# Altium PCB UM-64NNP-V1 rev 0.18.PcbDoc (part 1 of 5) (continued)
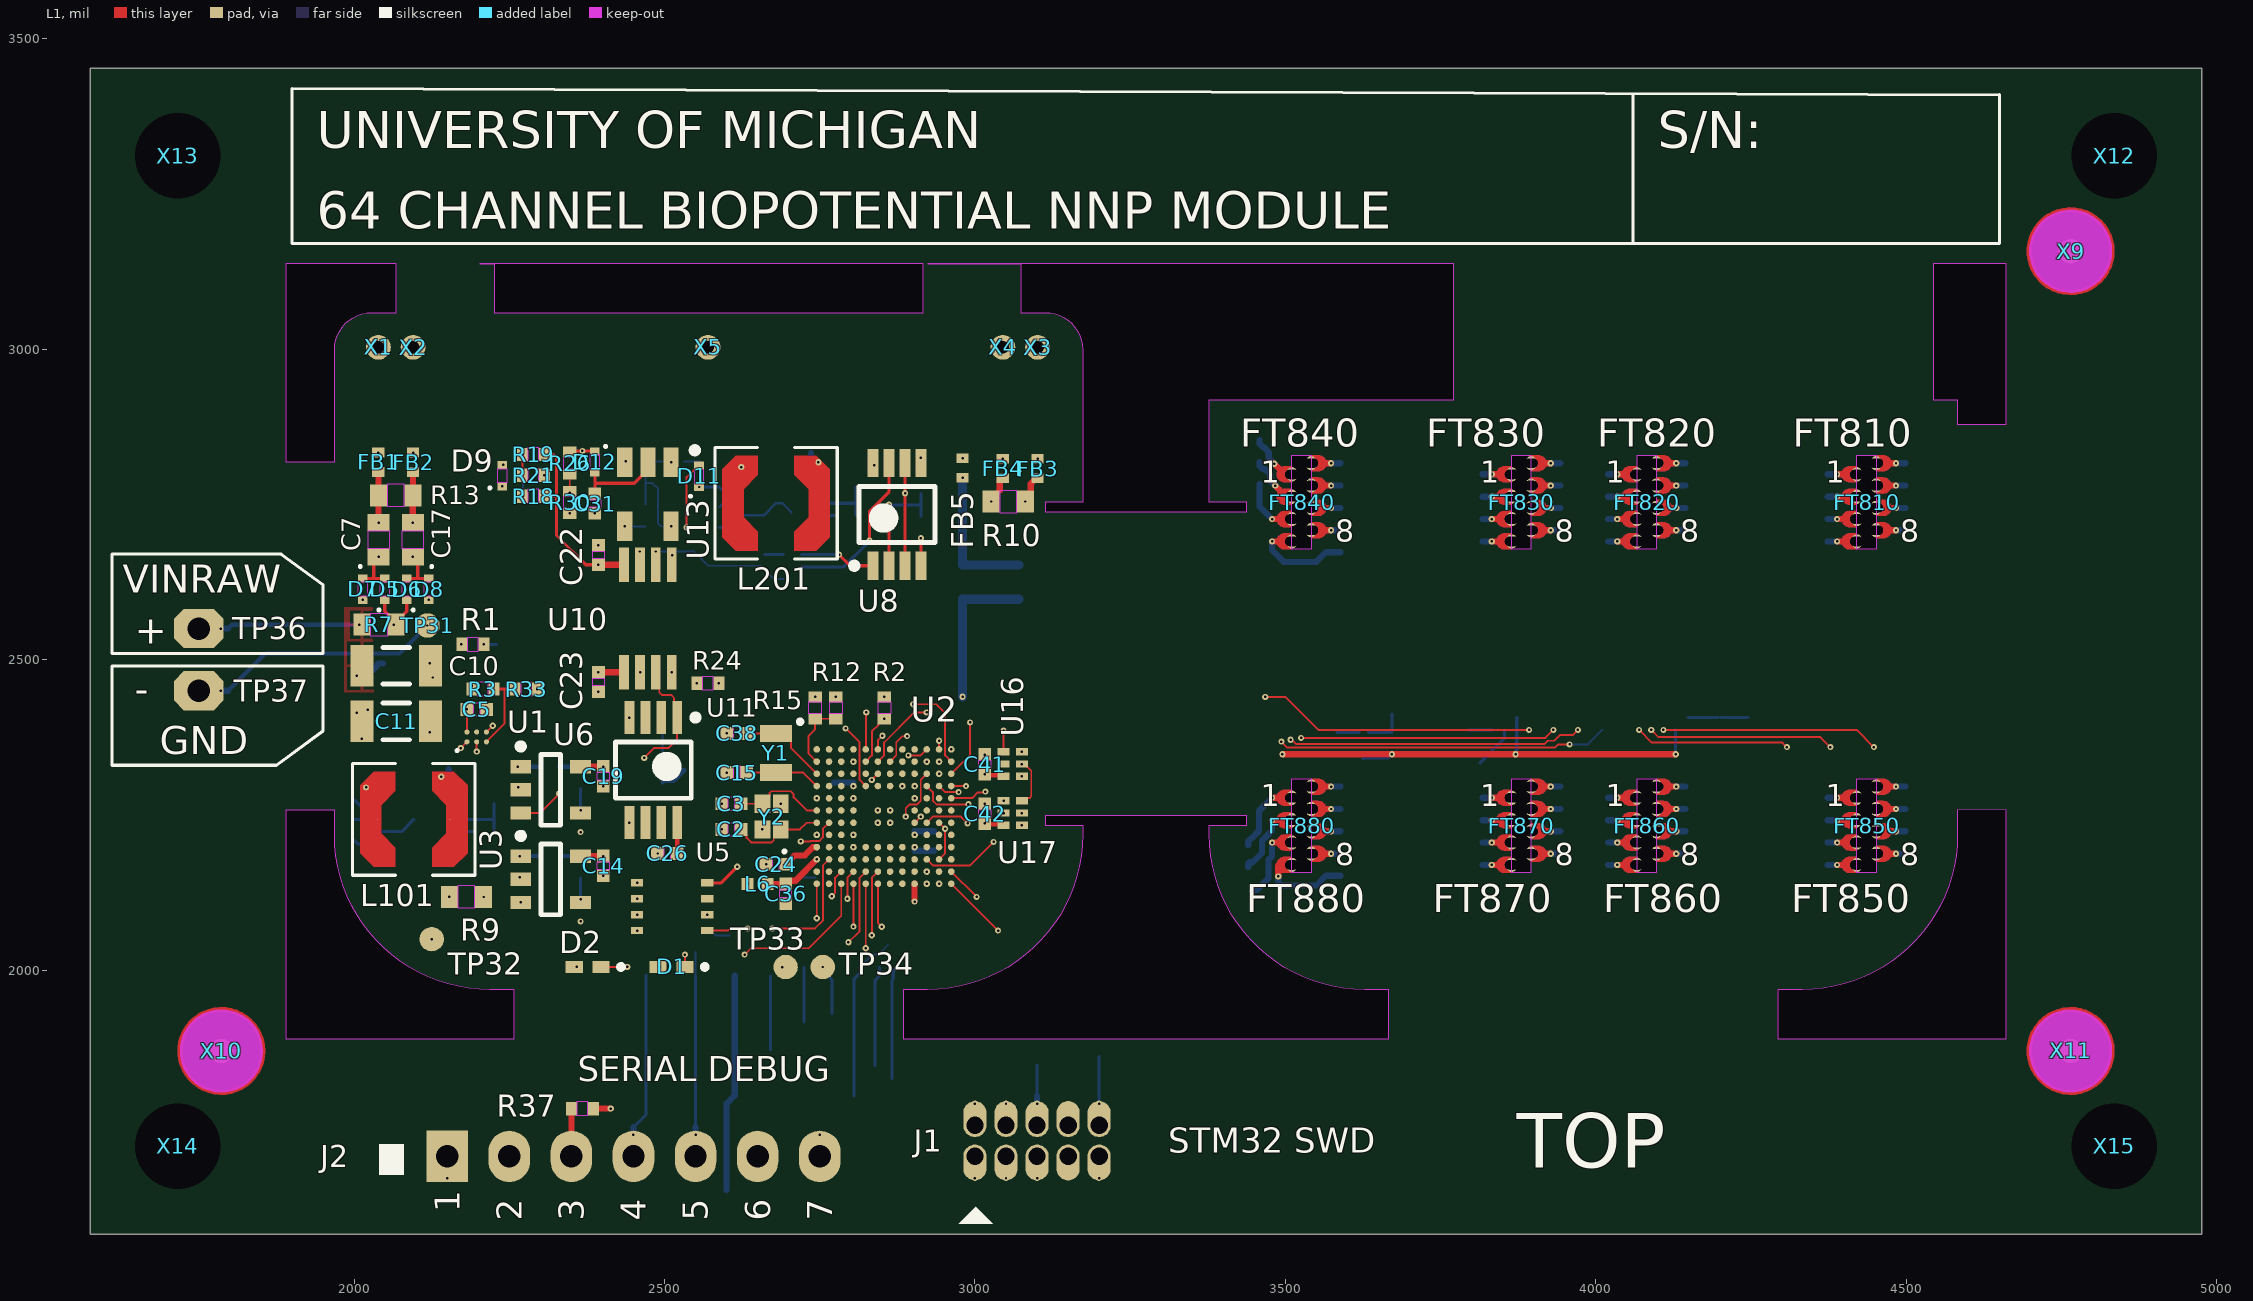
[diagram p0: L1 view]
## Components (designator, comment, footprint, x,y, rotation, side; value= is the part's Value field where it differs from the comment) (continued)
C845 "680pF 100V 0402" CAP0402_L 3658.5,2816.5 r180 bottom value=680pF
C846 "680pF 100V 0402" CAP0402_L 3658.5,2780.5 r180 bottom value=680pF
C847 "680pF 100V 0402" CAP0402_L 3658.5,2744.5 r180 bottom value=680pF
C848 "680pF 100V 0402" CAP0402_L 3658.5,2708.5 r180 bottom value=680pF
C851 "680pF 100V 0402" CAP0402_L 4303.51,2277.5 r0 bottom value=680pF
C852 "680pF 100V 0402" CAP0402_L 4303.51,2241.5 r0 bottom value=680pF
C853 "680pF 100V 0402" CAP0402_L 4303.51,2205.5 r0 bottom value=680pF
C854 "680pF 100V 0402" CAP0402_L 4303.51,2169.5 r0 bottom value=680pF
C855 "680pF 100V 0402" CAP0402_L 4532.09,2328.97 r180 bottom value=680pF
C856 "680pF 100V 0402" CAP0402_L 4552.75,2275.82 r270 bottom value=680pF
C857 "680pF 100V 0402" CAP0402_L 4552.75,2207.76 r90 bottom value=680pF
C858 "680pF 100V 0402" CAP0402_L 4527.09,2154.04 r180 bottom value=680pF
C861 "680pF 100V 0402" CAP0402_L 4012.52,2315.97 r0 bottom value=680pF
C862 "680pF 100V 0402" CAP0402_L 3996.75,2110.9 r90 bottom value=680pF
C863 "680pF 100V 0402" CAP0402_L 4028.25,2110.9 r90 bottom value=680pF
C864 "680pF 100V 0402" CAP0402_L 4059.74,2110.9 r90 bottom value=680pF
C865 "680pF 100V 0402" CAP0402_L 4214.5,2295.5 r180 bottom value=680pF
C866 "680pF 100V 0402" CAP0402_L 4214.5,2259.5 r180 bottom value=680pF
C867 "680pF 100V 0402" CAP0402_L 4214.5,2223.5 r180 bottom value=680pF
C868 "680pF 100V 0402" CAP0402_L 4214.5,2187.5 r180 bottom value=680pF
C871 "680pF 100V 0402" CAP0402_L 3747.51,2277.5 r0 bottom value=680pF
C872 "680pF 100V 0402" CAP0402_L 3747.51,2241.5 r0 bottom value=680pF
C873 "680pF 100V 0402" CAP0402_L 3747.51,2205.5 r0 bottom value=680pF
C874 "680pF 100V 0402" CAP0402_L 3747.51,2169.5 r0 bottom value=680pF
C875 "680pF 100V 0402" CAP0402_L 3949.51,2333.97 r180 bottom value=680pF
C876 "680pF 100V 0402" CAP0402_L 3965.26,2110.9 r90 bottom value=680pF
C877 "680pF 100V 0402" CAP0402_L 3933.76,2110.9 r90 bottom value=680pF
C878 "680pF 100V 0402" CAP0402_L 3902.26,2110.9 r90 bottom value=680pF
C881 "680pF 100V 0402" CAP0402_L 3483.51,2088.62 r90 bottom value=680pF
C882 "680pF 100V 0402" CAP0402_L 3515.01,2088.62 r90 bottom value=680pF
C883 "680pF 100V 0402" CAP0402_L 3546.5,2088.62 r90 bottom value=680pF
C884 "680pF 100V 0402" CAP0402_L 3658.5,2152.07 r180 bottom value=680pF
C885 "680pF 100V 0402" CAP0402_L 3658.5,2295.5 r180 bottom value=680pF
C886 "680pF 100V 0402" CAP0402_L 3658.5,2259.5 r180 bottom value=680pF
C887 "680pF 100V 0402" CAP0402_L 3658.5,2223.5 r180 bottom value=680pF
C888 "680pF 100V 0402" CAP0402_L 3658.5,2187.5 r180 bottom value=680pF
D1 "LED GRN" LED0402_L 2511.31,2005.11 r0 top value=45mcd
D2 "LED BLUE" LED0402_L 2376.26,2005.11 r0 top
D5 "1SS416,L3M" TOSHIBA_SOD-923 2049.38,2613.5 r90 top
D6 "1SS416,L3M" TOSHIBA_SOD-923 2084.82,2613.5 r90 top
D7 "1SS416,L3M" TOSHIBA_SOD-923 2013.95,2613.5 r270 top
D8 "1SS416,L3M" TOSHIBA_SOD-923 2120.25,2613.5 r270 top
D9 "1SS416,L3M" TOSHIBA_SOD-923 2238.52,2796.22 r90 top
D11 "1SS416,L3M" TOSHIBA_SOD-923 2555.56,2795.34 r90 top
D12 "1SS416,L3M" TOSHIBA_SOD-923 2387.74,2818.4 r270 top
D811 "SP3022-01ETG" LITTELFUSE_SOD882 4360.59,2798.5 r180 bottom value=SP3022
D812 "SP3022-01ETG" LITTELFUSE_SOD882 4360.59,2762.5 r180 bottom value=SP3022
D813 "SP3022-01ETG" LITTELFUSE_SOD882 4360.59,2726.5 r180 bottom value=SP3022
D814 "SP3022-01ETG" LITTELFUSE_SOD882 4360.59,2690.5 r180 bottom value=SP3022
D815 "SP3022-01ETG" LITTELFUSE_SOD882 4511.41,2815.94 r0 bottom value=SP3022
D816 "SP3022-01ETG" LITTELFUSE_SOD882 4511.41,2780.5 r0 bottom value=SP3022
D817 "SP3022-01ETG" LITTELFUSE_SOD882 4511.41,2744.5 r0 bottom value=SP3022
D818 "SP3022-01ETG" LITTELFUSE_SOD882 4511.41,2708.5 r0 bottom value=SP3022
D821 "SP3022-01ETG" LITTELFUSE_SOD882 4006.59,2798.5 r180 bottom value=SP3022
D822 "SP3022-01ETG" LITTELFUSE_SOD882 4006.59,2762.5 r180 bottom value=SP3022
D823 "SP3022-01ETG" LITTELFUSE_SOD882 4006.59,2726.5 r180 bottom value=SP3022
D824 "SP3022-01ETG" LITTELFUSE_SOD882 4006.59,2690.5 r180 bottom value=SP3022
D825 "SP3022-01ETG" LITTELFUSE_SOD882 4157.41,2816.5 r0 bottom value=SP3022
D826 "SP3022-01ETG" LITTELFUSE_SOD882 4157.41,2780.5 r0 bottom value=SP3022
D827 "SP3022-01ETG" LITTELFUSE_SOD882 4157.41,2744.5 r0 bottom value=SP3022
D828 "SP3022-01ETG" LITTELFUSE_SOD882 4157.41,2708.5 r0 bottom value=SP3022
D831 "SP3022-01ETG" LITTELFUSE_SOD882 3804.59,2798.5 r180 bottom value=SP3022
D832 "SP3022-01ETG" LITTELFUSE_SOD882 3804.59,2762.5 r180 bottom value=SP3022
D833 "SP3022-01ETG" LITTELFUSE_SOD882 3804.59,2726.5 r180 bottom value=SP3022
D834 "SP3022-01ETG" LITTELFUSE_SOD882 3804.59,2690.5 r180 bottom value=SP3022
D835 "SP3022-01ETG" LITTELFUSE_SOD882 3955.41,2816.5 r0 bottom value=SP3022
D836 "SP3022-01ETG" LITTELFUSE_SOD882 3955.41,2780.5 r0 bottom value=SP3022
D837 "SP3022-01ETG" LITTELFUSE_SOD882 3955.41,2744.5 r0 bottom value=SP3022
D838 "SP3022-01ETG" LITTELFUSE_SOD882 3955.41,2708.5 r0 bottom value=SP3022
D841 "SP3022-01ETG" LITTELFUSE_SOD882 3445.59,2853.47 r180 bottom value=SP3022
D842 "SP3022-01ETG" LITTELFUSE_SOD882 3445.59,2818.04 r180 bottom value=SP3022
D843 "SP3022-01ETG" LITTELFUSE_SOD882 3445.59,2782.61 r180 bottom value=SP3022
D844 "SP3022-01ETG" LITTELFUSE_SOD882 3601.41,2673.07 r0 bottom value=SP3022
D845 "SP3022-01ETG" LITTELFUSE_SOD882 3601.41,2816.5 r0 bottom value=SP3022
D846 "SP3022-01ETG" LITTELFUSE_SOD882 3601.41,2780.5 r0 bottom value=SP3022
D847 "SP3022-01ETG" LITTELFUSE_SOD882 3601.41,2744.5 r0 bottom value=SP3022
D848 "SP3022-01ETG" LITTELFUSE_SOD882 3601.41,2708.5 r0 bottom value=SP3022
D851 "SP3022-01ETG" LITTELFUSE_SOD882 4360.59,2277.5 r180 bottom value=SP3022
D852 "SP3022-01ETG" LITTELFUSE_SOD882 4360.59,2241.5 r180 bottom value=SP3022
D853 "SP3022-01ETG" LITTELFUSE_SOD882 4360.59,2205.5 r180 bottom value=SP3022
D854 "SP3022-01ETG" LITTELFUSE_SOD882 4360.59,2169.5 r180 bottom value=SP3022
D855 "SP3022-01ETG" LITTELFUSE_SOD882 4511.41,2295.5 r0 bottom value=SP3022
D856 "SP3022-01ETG" LITTELFUSE_SOD882 4511.41,2259.5 r0 bottom value=SP3022
D857 "SP3022-01ETG" LITTELFUSE_SOD882 4511.41,2223.5 r0 bottom value=SP3022
D858 "SP3022-01ETG" LITTELFUSE_SOD882 4511.41,2187.5 r0 bottom value=SP3022
D861 "SP3022-01ETG" LITTELFUSE_SOD882 4006.61,2277.5 r180 bottom value=SP3022
D862 "SP3022-01ETG" LITTELFUSE_SOD882 4006.61,2241.5 r180 bottom value=SP3022
D863 "SP3022-01ETG" LITTELFUSE_SOD882 4006.61,2205.5 r180 bottom value=SP3022
D864 "SP3022-01ETG" LITTELFUSE_SOD882 4006.61,2169.5 r180 bottom value=SP3022
D865 "SP3022-01ETG" LITTELFUSE_SOD882 4157.41,2295.5 r0 bottom value=SP3022
D866 "SP3022-01ETG" LITTELFUSE_SOD882 4157.41,2259.5 r0 bottom value=SP3022
D867 "SP3022-01ETG" LITTELFUSE_SOD882 4157.41,2223.5 r0 bottom value=SP3022
D868 "SP3022-01ETG" LITTELFUSE_SOD882 4157.41,2187.5 r0 bottom value=SP3022
D871 "SP3022-01ETG" LITTELFUSE_SOD882 3804.59,2277.5 r180 bottom value=SP3022
D872 "SP3022-01ETG" LITTELFUSE_SOD882 3804.59,2241.5 r180 bottom value=SP3022
D873 "SP3022-01ETG" LITTELFUSE_SOD882 3804.59,2205.5 r180 bottom value=SP3022
D874 "SP3022-01ETG" LITTELFUSE_SOD882 3804.59,2169.5 r180 bottom value=SP3022
D875 "SP3022-01ETG" LITTELFUSE_SOD882 3955.41,2295.5 r0 bottom value=SP3022
D876 "SP3022-01ETG" LITTELFUSE_SOD882 3955.43,2259.5 r0 bottom value=SP3022
D877 "SP3022-01ETG" LITTELFUSE_SOD882 3955.43,2223.5 r0 bottom value=SP3022
D878 "SP3022-01ETG" LITTELFUSE_SOD882 3955.43,2187.5 r0 bottom value=SP3022
D881 "SP3022-01ETG" LITTELFUSE_SOD882 3427.5,2201.28 r180 bottom value=SP3022
D882 "SP3022-01ETG" LITTELFUSE_SOD882 3427.5,2165.85 r180 bottom value=SP3022
D883 "SP3022-01ETG" LITTELFUSE_SOD882 3446.59,2114.62 r270 bottom value=SP3022
D884 "SP3022-01ETG" LITTELFUSE_SOD882 3601.41,2152.07 r0 bottom value=SP3022
D885 "SP3022-01ETG" LITTELFUSE_SOD882 3601.41,2295.5 r0 bottom value=SP3022
D886 "SP3022-01ETG" LITTELFUSE_SOD882 3601.41,2259.5 r0 bottom value=SP3022
D887 "SP3022-01ETG" LITTELFUSE_SOD882 3601.41,2223.5 r0 bottom value=SP3022
D888 "SP3022-01ETG" LITTELFUSE_SOD882 3601.41,2187.5 r0 bottom value=SP3022
FB1 "Ferrite Bead" MURATA_BLM15 2039.1,2817.91 r270 top value=BLM15EG221SH1D
FB2 "Ferrite Bead" MURATA_BLM15 2095.1,2817.91 r270 top value=BLM15EG221SH1D
FB3 "Ferrite Bead" MURATA_BLM15 3100.94,2807.91 r270 top value=BLM15EG221SH1D
FB4 "Ferrite Bead" MURATA_BLM15 3044.94,2807.91 r270 top value=BLM15EG221SH1D
FB5 "Ferrite Bead" MURATA_BLM15 2980,2808.79 r270 top value=BLM15EG221SH1D
FT810 "FT Pads, 8 contact, staggered" FEEDTHRU_15MIL_8P_CAST_EXT 4420.5,2798.5 r0 top
FT820 "FT Pads, 8 contact, staggered" FEEDTHRU_15MIL_8P_CAST_EXT 4066.5,2798.5 r0 top
FT830 "FT Pads, 8 contact, staggered" FEEDTHRU_15MIL_8P_CAST_EXT 3864.5,2798.5 r0 top
FT840 "FT Pads, 8 contact, staggered" FEEDTHRU_15MIL_8P_CAST_EXT 3510.5,2798.5 r0 top
FT850 "FT Pads, 8 contact, staggered" FEEDTHRU_15MIL_8P_CAST_EXT 4420.5,2277.5 r0 top
FT860 "FT Pads, 8 contact, staggered" FEEDTHRU_15MIL_8P_CAST_EXT 4066.5,2277.5 r0 top
FT870 "FT Pads, 8 contact, staggered" FEEDTHRU_15MIL_8P_CAST_EXT 3864.5,2277.5 r0 top
FT880 "FT Pads, 8 contact, staggered" FEEDTHRU_15MIL_8P_CAST_EXT 3510.5,2277.5 r0 top
J1 "1.27 mm, 2x5, Male, TH" SAMTEC_FTSH-105-01-XXX-D-K 3100.01,1725.01 r0 top
J2 "Header 7" SAMTEC_TSW-107-07-F-S 2450,1700 r0 top
L1 "VLS252010HBX-2R2M-1" TDK_VLS252010HBX-1 2828.95,2166.6 r0 bottom value=2.2uH
L6 "LQG15HS33NJ02D" MURATA_LQG15HS 2649.82,2138.81 r0 top value=33nH
L101 "LPS4012-473MRC" "LPS4012 SERIES" 2096.22,2242.75 r0 top value=47uH
L201 "LPS4012-473MRC" "LPS4012 SERIES" 2679.7,2752.03 r0 top value=47uH
M1 "DMG1029SV" DIODESINC_SOT563-6 2209.21,2491.26 r90 bottom
Q1 "-50V -100mA" ROHM_SOT-723_VMT3 2256.23,2813.75 r180 bottom
R1 "2.00M" RES0402_L 2191.5,2524.73 r0 top
R2 "10.0k" RES0402_L 2854.03,2422.47 r90 top
R3 "4.99M" RES0402_L 2207.24,2452.73 r0 top
R4 "Zero" RES0603_L 4272.5,2406.64 r180 bottom value=0
R5 "DNP" RES0603_L 4201.63,2379.08 r90 bottom
R6 "DNP" RES0402_L 2315.63,2183.71 r180 bottom
R7 "Zero" RES0603_L 2040.12,2556.42 r180 top value=0
R8 "0.1" RES0402_L 2004.25,2456.46 r270 bottom
R9 "Zero" RES0603_L 2180.95,2117.77 r0 top value=0
R10 "ESD 12V 0603" RES0603_L 3053.7,2754.76 r180 top value=12V
R11 "4.12M" RES0402_L 2364.84,2166 r270 bottom
R12 "DNP" RES0402_L 2776.04,2422.47 r90 top
R13 "ESD 12V 0603" RES0603_L 2067.1,2764.76 r0 top value=12V
R14 "2.00M" RES0402_L 2364.84,2096.04 r270 bottom
R15 "Zero" RES0402_L 2742.57,2422.47 r90 top value=0
R16 "1k" RES0402_L 2376.26,2005.11 r180 bottom
R17 "DNP" RES0402_L 2312.67,2327.82 r180 bottom
R18 "1k" RES0402_L 2288.72,2763.55 r180 top
R19 "5.1k" RES0402_L 2288.72,2830.48 r180 top
R20 "4.12M" RES0402_L 2364.84,2310.1 r270 bottom
R21 "5.1k" RES0402_L 2288.72,2797.02 r0 top
R22 "2.00M" RES0402_L 2364.84,2240.14 r270 bottom
R23 "DNP" RES0402_L 3508.35,2616.68 r270 bottom
R24 "4.99M" RES0402_L 2569.7,2462.03 r180 top
R25 "49.9k" RES0402_L 2912.96,2785.49 r270 bottom
R26 "49.9k" RES0402_L 2347.39,2816.4 r270 top
R27 "1k" RES0402_L 2574.63,2819.35 r0 bottom
R28 "49.9k" RES0402_L 2513.6,2819.35 r0 bottom
R29 "1k" RES0402_L 2912.96,2713.28 r270 bottom
R30 "1k" RES0402_L 2347.39,2753.44 r270 top
R31 "49.9k" RES0402_L 2435.85,2731.99 r270 bottom
R32 "84.5k" RES0402_L 2469.31,2731.99 r270 bottom
R33 "1.00M" RES0402_L 2277.2,2452.73 r0 top
R34 "DNP" RES0402_L 3565.21,2383.19 r0 bottom
R35 "4.99M" RES0402_L 3671.51,2365.47 r90 bottom
R36 "4.99M" RES0402_L 3671.51,2430.43 r90 bottom
R37 "DNP" RES0402_L 2367.72,1777.01 r180 top
R78 "1k" RES0402_L 2509.34,2005.11 r180 bottom
R101 "Zero" RES0402_L 2225.24,2286.29 r270 bottom value=0
R102 "DNP" RES0402_L 2191.77,2286.29 r270 bottom
R103 "DNP" RES0402_L 2225.24,2205.35 r270 bottom
R104 "Zero" RES0402_L 2191.77,2205.35 r270 bottom value=0
R201 "Zero" RES0402_L 2808.71,2795.57 r270 bottom value=0
R202 "DNP" RES0402_L 2775.25,2795.57 r270 bottom
R203 "DNP" RES0402_L 2808.71,2714.63 r270 bottom
R204 "Zero" RES0402_L 2775.25,2714.63 r270 bottom value=0
TP1 "Test_Point" testpad_1.0mm 2863.95,2402.79 r180 bottom
TP2 "Test_Point" testpad_1.0mm 2576.98,2061.28 r180 bottom
TP3 "Test_Point" testpad_1.0mm 2039.54,2657.91 r90 bottom
TP4 "Test_Point" testpad_1.0mm 2063.54,2556.42 r0 bottom
TP5 "Test_Point" testpad_1.0mm 2008.43,2556.42 r0 bottom
TP6 "Test_Point" testpad_1.0mm 2012.64,2370.52 r90 bottom
TP7 "Test_Point" testpad_1.0mm 2153.39,2117.77 r0 bottom
TP8 "Test_Point" testpad_1.0mm 2208.5,2117.77 r0 bottom
TP9 "Test_Point" testpad_1.0mm 2755,2005 r270 bottom
TP10 "Test_Point" testpad_1.0mm 2094.66,2657.91 r90 bottom
TP11 "Test_Point" testpad_1.0mm 2118.17,2555.05 r90 bottom
TP12 "Test_Point" testpad_1.0mm 2411.26,2327.82 r180 bottom
TP13 "Test_Point" testpad_1.0mm 3119.4,2175 r90 bottom
TP14 "Test_Point" testpad_1.0mm 3044.4,2175 r90 bottom
TP15 "Test_Point" testpad_1.0mm 3037.26,2063.57 r90 bottom
TP16 "Test_Point" testpad_1.0mm 2299.08,2005.11 r90 bottom
TP17 "Test_Point" testpad_1.0mm 2875,2005 r90 bottom
TP18 "Test_Point" testpad_1.0mm 2815,2005 r90 bottom
TP19 "Test_Point" testpad_1.0mm 2125,2050 r180 bottom
TP20 "Test_Point" testpad_1.0mm 3813.68,2333.97 r270 bottom
TP21 "Test_Point" testpad_1.0mm 2576.98,2005.11 r90 bottom
TP22 "Test_Point" testpad_1.0mm 2850,2070 r90 bottom
TP23 "Test_Point" testpad_1.0mm 3000,2296.49 r90 bottom
TP24 "Test_Point" testpad_1.0mm 2745.29,2070 r90 bottom
TP25 "Test_Point" testpad_1.0mm 2695,2004.99 r0 bottom
TP26 "Test_Point" testpad_1.0mm 3083.96,2117.94 r0 bottom
TP27 "Test_Point" testpad_1.0mm 3045,2250 r270 bottom
TP28 "Test_Point" testpad_1.0mm 2922.28,2414.95 r270 bottom
TP29 "Test_Point" testpad_1.0mm 3075.67,2331.86 r0 bottom
TP30 "Test_Point" testpad_1.0mm 2765.93,2430.14 r270 bottom
TP31 "Test_Point" testpad_1.0mm 2118.17,2555.05 r90 top
TP32 "Test_Point" testpad_1.0mm 2125,2050 r90 top
TP33 "Test_Point" testpad_1.0mm 2695,2004.99 r90 top
TP34 "Test_Point" testpad_1.0mm 2755,2005 r90 top
TP35 "Test_Point" testpad_1.0mm 2440,2005 r90 bottom
TP36 "TestPointTH" HDR_HOLE_TAB2 1750,2550 r90 top
TP37 "TestPointTH" HDR_HOLE_TAB2 1750,2450 r90 top
TP38 "Test_Point" testpad_1.0mm 3625,2340 r90 bottom
TP39 "Test_Point" testpad_1.0mm 2500,2400 r90 bottom
TP40 "Test_Point" testpad_1.0mm 2475,2475 r90 bottom
TP41 "Test_Point" testpad_1.0mm 3050,2400 r90 bottom
TP701 "Test_Point" testpad_1.0mm 4447.84,2359.16 r270 bottom
TP702 "Test_Point" testpad_1.0mm 4377.84,2359.16 r90 bottom
TP703 "Test_Point" testpad_1.0mm 4307.84,2359.16 r90 bottom
U1 "AD8505ACBZ" AD_CB-6-7(WLCSP6) 2197.43,2375.52 r90 top
U2 "STM32U5A5QJI6Q" STM_UFBGA132 2853.56,2247.27 r0 top locked value=SMPS
U3 "LDO ADJ 150mA" AD_UJ-5(SOT23) 2316.61,2146.31 r0 top
U4 "MAX9938WEUK+T" MAXIM_21-0057F 2095.79,2456.46 r180 bottom
U5 "CY15B108QI-20LPXI" CY_002-18131_GQFN8 2512.22,2102.08 r0 top
U6 "LDO ADJ 150mA" AD_UJ-5(SOT23) 2316.61,2290.42 r0 top
U8 "CMP 5.5V 40ns" TI_DGK_VSSOP8_REDUCED 2874.58,2733.97 r90 top
U9 "XOR 5.5V uPAk6" ONSC_CASE127EB_UPAK6 2706.27,2649.5 r180 bottom
U10 "ISO 150Mbps" NVE_uSOP_8L 2473.25,2566.36 r90 top
U11 "Silicon delay 3-3.6V uSOP8" MAXIM_21-0036 2481.96,2322.08 r270 top locked value=500ns
U12 "D FLIPFLOP" ONSC_CASE127EB_UPAK6 2481.96,2322.08 r0 bottom
U13 "LDO -1.2-20V -200mA" LT_S5_L 2473.25,2766.44 r270 top
U15 "AD8505ACBZ" AD_CB-6-7(WLCSP6) 3626.24,2398.93 r180 bottom
U16 "XOR 5.5V uPAk6" ONSC_CASE127EB_UPAK6 3060.91,2331.87 r180 top
U17 "D FLIPFLOP" ONSC_CASE127EB_UPAK6 3060.91,2252.97 r0 top
U101 "BUCK 2V7-20V 50mA" LT-DD-10_V 2096.22,2242.75 r0 bottom
U201 "BUCK 2V7-20V 50mA" LT-DD-10_V 2679.7,2752.03 r0 bottom
U701 "RHD2164" INTAN_RHD2164 3990.85,2505.07 r180 bottom locked
X1 "FT" FEEDHOLE_20mil 2039.1,3003.12 r0 top value=Feedthrough
X2 "FT" FEEDHOLE_20mil 2095.1,3003.12 r0 top value=Feedthrough
X3 "FT" FEEDHOLE_20mil 3100.94,3003.12 r0 top value=Feedthrough
X4 "FT" FEEDHOLE_20mil 3044.94,3003.12 r0 top value=Feedthrough
X5 "FT" FEEDHOLE_20mil 2570.02,3003.12 r0 top value=Feedthrough
X6 "FIDUCIAL" Fid_IPC-7351B 1786.22,1869.76 r180 bottom
X7 "FIDUCIAL" Fid_IPC-7351B 4764.78,1869.76 r180 bottom
X8 "FIDUCIAL" Fid_IPC-7351B 4764.78,3157.88 r180 bottom
X9 "FIDUCIAL" Fid_IPC-7351B 4764.78,3157.88 r0 top
X10 "FIDUCIAL" Fid_IPC-7351B 1786.22,1869.76 r0 top
X11 "FIDUCIAL" Fid_IPC-7351B 4764.78,1869.76 r0 top
X12 "HOLE, UNPLATED" HOLE_UNPLATED_3.5MM 4834.78,3311.41 r0 top
X13 "HOLE, UNPLATED" HOLE_UNPLATED_3.5MM 1716.22,3311.41 r0 top
X14 "HOLE, UNPLATED" HOLE_UNPLATED_3.5MM 1716.22,1716.22 r0 top
X15 "HOLE, UNPLATED" HOLE_UNPLATED_3.5MM 4834.78,1716.22 r0 top
Y1 "ECS-.327-6-12-TR" MICROCRYSTAL_CC8V-T1A 2679.35,2349.64 r90 top value=32.768kHz
Y2 "48MHz 8pF" ECS_ECX-1247B2 2672.53,2247.27 r90 top value=48MHz

## Footprints (in the part's own frame and the unit in brackets; to place one, negate y for a bottom-side part, rotate by r counter-clockwise, add the part's x,y. Pads: shape width x height; smd on the part's side, far side on the other; paste and mask are expansions set on the pad)
AD_CB-6-7(WLCSP6) [mm] "BGA, 6-Leads, Body 0.91x1.39mmx0.65mm, Pitch 0.40mm"
  round 0.21 smd: A1(-0.2,0.4) A2(0.2,0.4) B1(-0.2,0) B2(0.2,0) C1(-0.2,-0.4) C2(0.2,-0.4)
  silkscreen extent -0.61,0.75 -0.51,0.85, body extent -0.46,-0.69 0.46,0.69, height 0.64
AD_UJ-5(SOT23) [mm] "SOT23, 5-Leads, Body 2.90x2.80mm, Pitch 0.95mm, IPC High Density"
  rect 0.85x0.55 smd: 1(-1.225,0.95) 2(-1.225,0) 3(-1.225,-0.95) 4(1.225,-0.95) 5(1.225,0.95)
  silkscreen extent -1.35,-1.45 0.4,1.9, body extent -1.4,-1.45 1.4,1.45, height 1
CAP0402_L [mm] "Chip Capacitor, Body 1.0x0.5mm, Height 0.6mm, IPC High Density"
  rect 0.52x0.52 smd: 1(-0.4,0) 2(0.4,0)
  L1 keep-out region: -0.14,0.26 0.14,0.26 0.14,-0.26 -0.14,-0.26
  body extent -0.55,-0.3 0.55,0.3, height 0.6
CAP0603_L [mm] "Chip Capacitor, Body 1.6x0.8mm, Height 1.0mm, IPC High Density"
  rect 0.7x0.9 smd: 1(-0.7,0) 2(0.7,0)
  L1 keep-out region: -0.35,-0.45 0.35,-0.45 0.35,0.45 -0.35,0.45
  body extent -0.87,-0.47 0.88,0.48, height 1
CAP1206_L [mm] "Chip Capacitor, Body 3.2x1.6mm, Height 1mm, IPC High Density"
  rect 0.95x1.7 smd: 1(-1.4,0) 2(1.4,0)
  silkscreen extent -0.55,-0.75 0.55,0.75, body extent -1.7,-0.9 1.7,0.9, height 1
CY_002-18131_GQFN8 [mm] "PSON, 8-Leads, Body 3.28x3.23mm, Pitch 0.65mm, IPC High Density"
  rect 0.5x0.3 smd: 1(-1.435,0.975) 2(-1.435,0.325) 3(-1.435,-0.325) 4(-1.435,-0.975) 5(1.435,-0.975) 6(1.435,-0.325) 7(1.435,0.325) 8(1.435,0.975)
  body extent -1.64,-1.67 1.64,1.67, height 0.55
DIODESINC_SOT563-6 [mm] "SOTFL, 6-Leads, Body 1.60x1.63mm, Pitch 0.50mm, IPC High Density"
  rect 0.5x0.3 smd: 1(-0.85,0.5) 2(-0.85,0) 3(-0.85,-0.5) 4(0.85,-0.5) 5(0.85,0) 6(0.85,0.5)
  silkscreen extent -0.97,1.11 -0.73,1.36, body extent -0.81,-0.85 0.81,0.85, height 0.6
ECS_ECX-1247B2 [mm]
  rect 0.75x0.65 smd: 1(-0.525,-0.375) 2(0.525,-0.375) 3(0.525,0.375) 4(-0.525,0.375)
  silkscreen extent -1.45,-0.55 -1.4,-0.5, body extent -0.8,-0.6 0.8,0.6, height 0.35
FEEDHOLE_20mil [mil] "Feedthrough hole 20mil"
  round 40 hole 20: 1(0,0)
FEEDTHRU_15MIL_8P_CAST_EXT [mil] "Feedthrough, 8 pin"
  oval 16x23 hole 15 slot 22 at 0 deg: 1(0,0) 2(0,-36) 3(0,-72) 4(0,-108) 5(31,18) 6(31,-18) 7(31,-54) 8(31,-90)
  L1 region: -11.81,-13 -17.45,-11.71 -21.97,-8.11 -24.49,-2.89 -24.49,2.89 -21.97,8.11 -17.45,11.71 -11.81,13 -11.81,13 0,13 0,-13
  L1 region: -11.81,-49 -17.45,-47.71 -21.97,-44.11 -24.49,-38.89 -24.49,-33.11 -21.97,-27.89 -17.45,-24.29 -11.81,-23 -11.81,-23 0,-23 0,-49
  L1 region: -11.81,-85 -17.45,-83.71 -21.97,-80.11 -24.49,-74.89 -24.49,-69.11 -21.97,-63.89 -17.45,-60.29 -11.81,-59 -11.81,-59 0,-59 0,-85
  L1 region: -11.81,-121 -17.45,-119.71 -21.97,-116.11 -24.49,-110.89 -24.49,-105.11 -21.97,-99.89 -17.45,-96.29 -11.81,-95 -11.81,-95 0,-95 0,-121
  L1 region: 42.81,31 48.45,29.71 52.97,26.11 55.49,20.89 55.49,15.11 52.97,9.89 48.45,6.29 42.81,5 42.81,5 31,5 31,31
  L1 region: 42.81,-5 48.45,-6.29 52.97,-9.89 55.49,-15.11 55.49,-20.89 52.97,-26.11 48.45,-29.71 42.81,-31 42.81,-31 31,-31 31,-5
  L1 region: 42.81,-41 48.45,-42.29 52.97,-45.89 55.49,-51.11 55.49,-56.89 52.97,-62.11 48.45,-65.71 42.81,-67 42.81,-67 31,-67 31,-41
  L1 region: 42.81,-77 48.45,-78.29 52.97,-81.89 55.49,-87.11 55.49,-92.89 52.97,-98.11 48.45,-101.71 42.81,-103 42.81,-103 31,-103 31,-77
  L3 region: -11.81,-13 -17.45,-11.71 -21.97,-8.11 -24.49,-2.89 -24.49,2.89 -21.97,8.11 -17.45,11.71 -11.81,13 -11.81,13 0,13 0,-13
  L3 region: -11.81,-49 -17.45,-47.71 -21.97,-44.11 -24.49,-38.89 -24.49,-33.11 -21.97,-27.89 -17.45,-24.29 -11.81,-23 -11.81,-23 0,-23 0,-49
  L3 region: -11.81,-85 -17.45,-83.71 -21.97,-80.11 -24.49,-74.89 -24.49,-69.11 -21.97,-63.89 -17.45,-60.29 -11.81,-59 -11.81,-59 0,-59 0,-85
  L3 region: -11.81,-121 -17.45,-119.71 -21.97,-116.11 -24.49,-110.89 -24.49,-105.11 -21.97,-99.89 -17.45,-96.29 -11.81,-95 -11.81,-95 0,-95 0,-121
  L3 region: 42.81,31 48.45,29.71 52.97,26.11 55.49,20.89 55.49,15.11 52.97,9.89 48.45,6.29 42.81,5 42.81,5 31,5 31,31
  L3 region: 42.81,-5 48.45,-6.29 52.97,-9.89 55.49,-15.11 55.49,-20.89 52.97,-26.11 48.45,-29.71 42.81,-31 42.81,-31 31,-31 31,-5
  L3 region: 42.81,-41 48.45,-42.29 52.97,-45.89 55.49,-51.11 55.49,-56.89 52.97,-62.11 48.45,-65.71 42.81,-67 42.81,-67 31,-67 31,-41
  L3 region: 42.81,-77 48.45,-78.29 52.97,-81.89 55.49,-87.11 55.49,-92.89 52.97,-98.11 48.45,-101.71 42.81,-103 42.81,-103 31,-103 31,-77
  L4 region: -11.81,-13 -17.45,-11.71 -21.97,-8.11 -24.49,-2.89 -24.49,2.89 -21.97,8.11 -17.45,11.71 -11.81,13 -11.81,13 0,13 0,-13
  L4 region: -11.81,-49 -17.45,-47.71 -21.97,-44.11 -24.49,-38.89 -24.49,-33.11 -21.97,-27.89 -17.45,-24.29 -11.81,-23 -11.81,-23 0,-23 0,-49
  L4 region: -11.81,-85 -17.45,-83.71 -21.97,-80.11 -24.49,-74.89 -24.49,-69.11 -21.97,-63.89 -17.45,-60.29 -11.81,-59 -11.81,-59 0,-59 0,-85
  L4 region: -11.81,-121 -17.45,-119.71 -21.97,-116.11 -24.49,-110.89 -24.49,-105.11 -21.97,-99.89 -17.45,-96.29 -11.81,-95 -11.81,-95 0,-95 0,-121
  L4 region: 42.81,31 48.45,29.71 52.97,26.11 55.49,20.89 55.49,15.11 52.97,9.89 48.45,6.29 42.81,5 42.81,5 31,5 31,31
  L4 region: 42.81,-5 48.45,-6.29 52.97,-9.89 55.49,-15.11 55.49,-20.89 52.97,-26.11 48.45,-29.71 42.81,-31 42.81,-31 31,-31 31,-5
  L4 region: 42.81,-41 48.45,-42.29 52.97,-45.89 55.49,-51.11 55.49,-56.89 52.97,-62.11 48.45,-65.71 42.81,-67 42.81,-67 31,-67 31,-41
  L4 region: 42.81,-77 48.45,-78.29 52.97,-81.89 55.49,-87.11 55.49,-92.89 52.97,-98.11 48.45,-101.71 42.81,-103 42.81,-103 31,-103 31,-77
  L2 region: -11.81,-13 -17.45,-11.71 -21.97,-8.11 -24.49,-2.89 -24.49,2.89 -21.97,8.11 -17.45,11.71 -11.81,13 -11.81,13 0,13 0,-13
  L2 region: -11.81,-49 -17.45,-47.71 -21.97,-44.11 -24.49,-38.89 -24.49,-33.11 -21.97,-27.89 -17.45,-24.29 -11.81,-23 -11.81,-23 0,-23 0,-49
  L2 region: -11.81,-85 -17.45,-83.71 -21.97,-80.11 -24.49,-74.89 -24.49,-69.11 -21.97,-63.89 -17.45,-60.29 -11.81,-59 -11.81,-59 0,-59 0,-85
  L2 region: -11.81,-121 -17.45,-119.71 -21.97,-116.11 -24.49,-110.89 -24.49,-105.11 -21.97,-99.89 -17.45,-96.29 -11.81,-95 -11.81,-95 0,-95 0,-121
  L2 region: 42.81,31 48.45,29.71 52.97,26.11 55.49,20.89 55.49,15.11 52.97,9.89 48.45,6.29 42.81,5 42.81,5 31,5 31,31
  L2 region: 42.81,-5 48.45,-6.29 52.97,-9.89 55.49,-15.11 55.49,-20.89 52.97,-26.11 48.45,-29.71 42.81,-31 42.81,-31 31,-31 31,-5
  L2 region: 42.81,-41 48.45,-42.29 52.97,-45.89 55.49,-51.11 55.49,-56.89 52.97,-62.11 48.45,-65.71 42.81,-67 42.81,-67 31,-67 31,-41
  L2 region: 42.81,-77 48.45,-78.29 52.97,-81.89 55.49,-87.11 55.49,-92.89 52.97,-98.11 48.45,-101.71 42.81,-103 42.81,-103 31,-103 31,-77
  L5 region: -11.81,-13 -17.45,-11.71 -21.97,-8.11 -24.49,-2.89 -24.49,2.89 -21.97,8.11 -17.45,11.71 -11.81,13 -11.81,13 0,13 0,-13
  L5 region: -11.81,-49 -17.45,-47.71 -21.97,-44.11 -24.49,-38.89 -24.49,-33.11 -21.97,-27.89 -17.45,-24.29 -11.81,-23 -11.81,-23 0,-23 0,-49
  L5 region: -11.81,-85 -17.45,-83.71 -21.97,-80.11 -24.49,-74.89 -24.49,-69.11 -21.97,-63.89 -17.45,-60.29 -11.81,-59 -11.81,-59 0,-59 0,-85
  L5 region: -11.81,-121 -17.45,-119.71 -21.97,-116.11 -24.49,-110.89 -24.49,-105.11 -21.97,-99.89 -17.45,-96.29 -11.81,-95 -11.81,-95 0,-95 0,-121
  L5 region: 42.81,31 48.45,29.71 52.97,26.11 55.49,20.89 55.49,15.11 52.97,9.89 48.45,6.29 42.81,5 42.81,5 31,5 31,31
  L5 region: 42.81,-5 48.45,-6.29 52.97,-9.89 55.49,-15.11 55.49,-20.89 52.97,-26.11 48.45,-29.71 42.81,-31 42.81,-31 31,-31 31,-5
  L5 region: 42.81,-41 48.45,-42.29 52.97,-45.89 55.49,-51.11 55.49,-56.89 52.97,-62.11 48.45,-65.71 42.81,-67 42.81,-67 31,-67 31,-41
  L5 region: 42.81,-77 48.45,-78.29 52.97,-81.89 55.49,-87.11 55.49,-92.89 52.97,-98.11 48.45,-101.71 42.81,-103 42.81,-103 31,-103 31,-77
  L6 region: -11.81,-13 -17.45,-11.71 -21.97,-8.11 -24.49,-2.89 -24.49,2.89 -21.97,8.11 -17.45,11.71 -11.81,13 -11.81,13 0,13 0,-13
  L6 region: -11.81,-49 -17.45,-47.71 -21.97,-44.11 -24.49,-38.89 -24.49,-33.11 -21.97,-27.89 -17.45,-24.29 -11.81,-23 -11.81,-23 0,-23 0,-49
  L6 region: -11.81,-85 -17.45,-83.71 -21.97,-80.11 -24.49,-74.89 -24.49,-69.11 -21.97,-63.89 -17.45,-60.29 -11.81,-59 -11.81,-59 0,-59 0,-85
  L6 region: -11.81,-121 -17.45,-119.71 -21.97,-116.11 -24.49,-110.89 -24.49,-105.11 -21.97,-99.89 -17.45,-96.29 -11.81,-95 -11.81,-95 0,-95 0,-121
  L6 region: 42.81,31 48.45,29.71 52.97,26.11 55.49,20.89 55.49,15.11 52.97,9.89 48.45,6.29 42.81,5 42.81,5 31,5 31,31
  L6 region: 42.81,-5 48.45,-6.29 52.97,-9.89 55.49,-15.11 55.49,-20.89 52.97,-26.11 48.45,-29.71 42.81,-31 42.81,-31 31,-31 31,-5
  L6 region: 42.81,-41 48.45,-42.29 52.97,-45.89 55.49,-51.11 55.49,-56.89 52.97,-62.11 48.45,-65.71 42.81,-67 42.81,-67 31,-67 31,-41
  L6 region: 42.81,-77 48.45,-78.29 52.97,-81.89 55.49,-87.11 55.49,-92.89 52.97,-98.11 48.45,-101.71 42.81,-103 42.81,-103 31,-103 31,-77
  Keep-Out Layer board cut-out: 0,31 31,31 31,-121 0,-121
Fid_IPC-7351B [mm] "Fiducial 1mm"
  round 1 smd paste-5 mask+1: Fid(0,0)
  L1 circle w0.203: c0,0 r1.7
  L1 keep-out circle w1.7: c0,0 r0.85
HDR_HOLE_TAB2 [mil] "Larger pad"
  oct 63x80 hole 36: 1(0,0)
HOLE_UNPLATED_3.5MM [mm]
  round 0 hole 3.5 unplated paste-2539.97 mask+0.102: 1(0,0)
INTAN_RHD2164 [mm] "BGA104_9X7, 0.5MM pitch"
  rrect100% 0.3x0.3 smd: A1(-4,3) A2(-3.5,3) A3(-3,3) A4(-2.5,3) A5(-2,3) A6(-1.5,3) A7(-1,3) A8(-0.5,3) A9(0,3) A10(0.5,3) A11(1,3) A12(1.5,3) A13(2,3) A14(2.5,3) A15(3,3) A16(3.5,3) A17(4,3) B1(-4,2.5) B2(-3.5,2.5) B3(-3,2.5) B4(-2.5,2.5) B5(-2,2.5) B6(-1.5,2.5) B7(-1,2.5) B8(-0.5,2.5) B9(0,2.5) B10(0.5,2.5) B11(1,2.5) B12(1.5,2.5) B13(2,2.5) B14(2.5,2.5) B15(3,2.5) B16(3.5,2.5) B17(4,2.5) C1(-4,2) C2(-3.5,2) C16(3.5,2) C17(4,2) D1(-4,1.5) D2(-3.5,1.5) D16(3.5,1.5) D17(4,1.5) E1(-4,1) E2(-3.5,1) E16(3.5,1) E17(4,1) F1(-4,0.5) F2(-3.5,0.5) F16(3.5,0.5) F17(4,0.5) G1(-4,0) G2(-3.5,0) G16(3.5,0) G17(4,0) H1(-4,-0.5) H2(-3.5,-0.5) H16(3.5,-0.5) H17(4,-0.5) J1(-4,-1) J2(-3.5,-1) J16(3.5,-1) J17(4,-1) K1(-4,-1.5) K2(-3.5,-1.5) K16(3.5,-1.5) K17(4,-1.5) L1(-4,-2) L2(-3.5,-2) L16(3.5,-2) L17(4,-2) M1(-4,-2.5) M2(-3.5,-2.5) M3(-3,-2.5) M4(-2.5,-2.5) M5(-2,-2.5) M6(-1.5,-2.5) M7(-1,-2.5) M8(-0.5,-2.5) M9(0,-2.5) M10(0.5,-2.5) M11(1,-2.5) M12(1.5,-2.5) M13(2,-2.5) M14(2.5,-2.5) M15(3,-2.5) M16(3.5,-2.5) M17(4,-2.5) N1(-4,-3) N2(-3.5,-3) N3(-3,-3) N4(-2.5,-3) N5(-2,-3) N6(-1.5,-3) N7(-1,-3) N8(-0.5,-3) N9(0,-3) N10(0.5,-3) N11(1,-3) N12(1.5,-3) N13(2,-3) N14(2.5,-3) N15(3,-3) N16(3.5,-3) N17(4,-3)
  silkscreen extent -4.17,3.81 -3.92,4.06, body extent -4.5,-3.52 4.5,3.5, height 1.5
LED0402_L [mm] "LED, Body 1.0x0.5mm, IPC High Density"
  rect 0.7x0.5 smd: 1(0.55,0) 2(-0.55,0)
  silkscreen extent 1.26,-0.1 1.46,0.1, body extent -0.5,-0.25 0.5,0.25, height 0.6
LITTELFUSE_SOD882 [mm] "DFN, 2-Leads, Body 0.60x1.02mm, Pitch 0.65mm, IPC High Density"
  rect 0.35x0.65 smd: 1(-0.325,0) 2(0.325,0)
  L1 keep-out region: -0.15,0.325 0.15,0.325 0.15,-0.325 -0.15,-0.325
  body extent -0.55,-0.35 0.55,0.35, height 0.6
"LPS4012 SERIES" [mil] "Coilcraft Shielded SMT Power Inductors"
  round 1 smd: 1(-58.07,0.06) 2(58.07,0.06)
  L1 region: 29.53,76.69 64.57,76.58 86.62,54.92 86.62,-54.92 64.57,-76.58 29.53,-76.46 29.53,-45.95 52.45,-22.44 52.27,22.84 29.53,46.18
  L1 region: -29.52,76.69 -64.56,76.58 -86.61,54.92 -86.61,-54.92 -64.57,-76.58 -29.53,-76.46 -29.53,-45.95 -52.44,-22.44 -52.27,22.84 -29.52,46.18
  silkscreen extent -98,-90 99,90, body extent -81,-81 81,81, height 47
LT-DD-10_V [mm] "SON, 10-Leads, Body 3x3mm, Pitch 0.5mm, Thermal Pad 2.38x1.65mm"
  rect 0.7x0.25 smd: 1(-1.425,1) 2(-1.425,0.5) 3(-1.425,0) 4(-1.425,-0.5) 5(-1.425,-1) 6(1.425,-1) 7(1.425,-0.5) 8(1.425,0) 9(1.425,0.5) 10(1.425,1)
  rect 1.65x2.38 smd mask+0.051: 11(0,0)
  L1 keep-out region: -1.775,1.125 -0.825,1.125 -0.825,-1.125 -1.775,-1.125
  L1 keep-out region: 0.825,1.125 1.775,1.125 1.775,-1.125 0.825,-1.125
  silkscreen extent -1.79,-1.55 1.55,1.9, body extent -1.5,-1.5 1.5,1.5, height 0.8
LT_S5_L [mm] "SOT23, 5-Leads, Body 2.90x2.80mm, Pitch 0.95mm, IPC High Density"
  rect 1.22x0.62 smd: 1(-1.31,0.95) 2(-1.31,0) 3(-1.31,-0.95) 4(1.31,-0.95) 5(1.31,0.95)
  silkscreen extent -1.92,1.8 -1.67,2.04, body extent -1.5,-1.5 1.5,1.5, height 1.45
MAXIM_21-0036 [mm] "TSOP, 8-Leads, Body 3.00x3.00mm, Pitch 0.65mm, IPC High Density"
  rect 1.35x0.4 smd: 1(-2.15,0.975) 2(-2.15,0.325) 3(-2.15,-0.325) 4(-2.15,-0.975) 5(2.15,-0.975) 6(2.15,-0.325) 7(2.15,0.325) 8(2.15,0.975)
  silkscreen extent -2.27,-1.55 1.15,1.85, body extent -2.45,-1.55 2.45,1.55, height 1.1
MAXIM_21-0057F [mil]
  rect 30.5x18 smd: 1(-49.75,37.4) 2(-49.75,0) 3(-49.75,-37.4) 4(49.75,-37.4) 5(49.75,37.4)
  silkscreen extent -75,-64 40,78, body extent -59,-59 59,59, height 57
MICROCRYSTAL_CC8V-T1A [mm] "DFN, 2-Leads, Body 1.20x2.00mm, Pitch 1.47mm, IPC High Density"
  rect 0.7x1.3 smd: 1(-0.8,0) 2(0.8,0)
  body extent -1,-0.6 1,0.6, height 0.6
MURATA_BLM15 [mm] "Chip Inductor, 2-Leads, Body 1.00x0.50mm, IPC High Density"
  rect 0.4x0.5 smd: 1(-0.4,0) 2(0.4,0)
  body extent -0.5,-0.25 0.5,0.25, height 0.55
MURATA_LQG15HS [mm] "Chip Inductor, 2-Leads, Body 1.00x0.50mm, IPC High Density"
  rect 0.49x0.49 smd: 1(-0.405,0) 2(0.405,0)
  body extent -0.5,-0.25 0.5,0.25, height 0.54
NVE_uSOP_8L [mm] "8-Lead uSOP 3mm x 3 mm package"
  rect 1.4x0.4 smd: 1(-2.2,0.975) 2(-2.2,0.325) 3(-2.2,-0.325) 4(-2.2,-0.975) 5(2.2,-0.975) 6(2.2,-0.325) 7(2.2,0.325) 8(2.2,0.975)
  body extent -2.45,-1.5 2.45,1.5, height 1.15
ONSC_CASE127EB_UPAK6 [mm] "LGA, 6-Leads, Body 1.00x1.45mmx0.55mm, Pitch 0.50mm"
  rect 0.5x0.3 smd: 1(-0.375,0.5) 2(-0.375,0) 3(-0.375,-0.5) 4(0.375,-0.5) 5(0.375,0) 6(0.375,0.5)
  body extent -0.53,-0.75 0.53,0.75, height 0.55
RES0402_L [mm] "Chip Resistor, Body 1.0x0.5mm, IPC High Density"
  rect 0.45x0.55 smd: 1(-0.45,0) 2(0.45,0)
  L1 keep-out region: -0.225,-0.275 0.225,-0.275 0.225,0.275 -0.225,0.275
  body extent -0.5,-0.25 0.5,0.25, height 0.36
RES0603_L [mm] "Chip Resistor, Body 1.6x0.8mm, IPC High Density"
  rect 0.7x0.9 smd: 1(-0.7,0) 2(0.7,0)
  L1 keep-out region: -0.35,0.45 0.35,0.45 0.35,-0.45 -0.35,-0.45
  body extent -0.8,-0.4 0.8,0.4, height 0.43
ROHM_SOT-723_VMT3 [mm] "SOTFL, 3-Leads, Body 1.20x1.20mm, Pitch 0.40mm, IPC High Density"
  rect 0.5x0.37 smd: 1(-0.4,0.4) 2(-0.4,-0.4)
  rect 0.5x0.47 smd: 3(0.4,0)
  silkscreen extent -1.36,-0.65 0.45,0.65, body extent -0.6,-0.65 0.6,0.65, height 0.55
SAMTEC_FTSH-105-01-XXX-D-K [mil]
  oval 37.4x58 hole 28 copper offset 0,-10 mask+3: 1(-100,-25) 3(-50,-25) 5(0,-25) 7(50,-25) 9(100,-25)
  oval 37.4x58 hole 28 copper offset 0,10 mask+3: 2(-100,25) 4(-50,25) 6(0,25) 8(50,25) 10(100,25)
  silkscreen extent -126,-134 -71,-106, body extent -125,-100 125,100, height 225
SAMTEC_TSW-107-07-F-S [mm] "Connector; Header; 7 Position"
  rect 1.7x2.1 hole 0.914: 1(-7.62,0)
  oval 1.7x2.1 hole 0.914: 2(-5.08,0) 3(-2.54,0) 4(0,0) 5(2.54,0) 6(5.08,0) 7(7.62,0)
  silkscreen extent -10.41,-0.76 -9.4,0.51, body extent -8.89,-1.27 9.02,1.27, height 8.38